# Allegro board RK_EVB1_RK3576_LP4XD200P132SD6_V12_20240530YWQ.brd (continued)
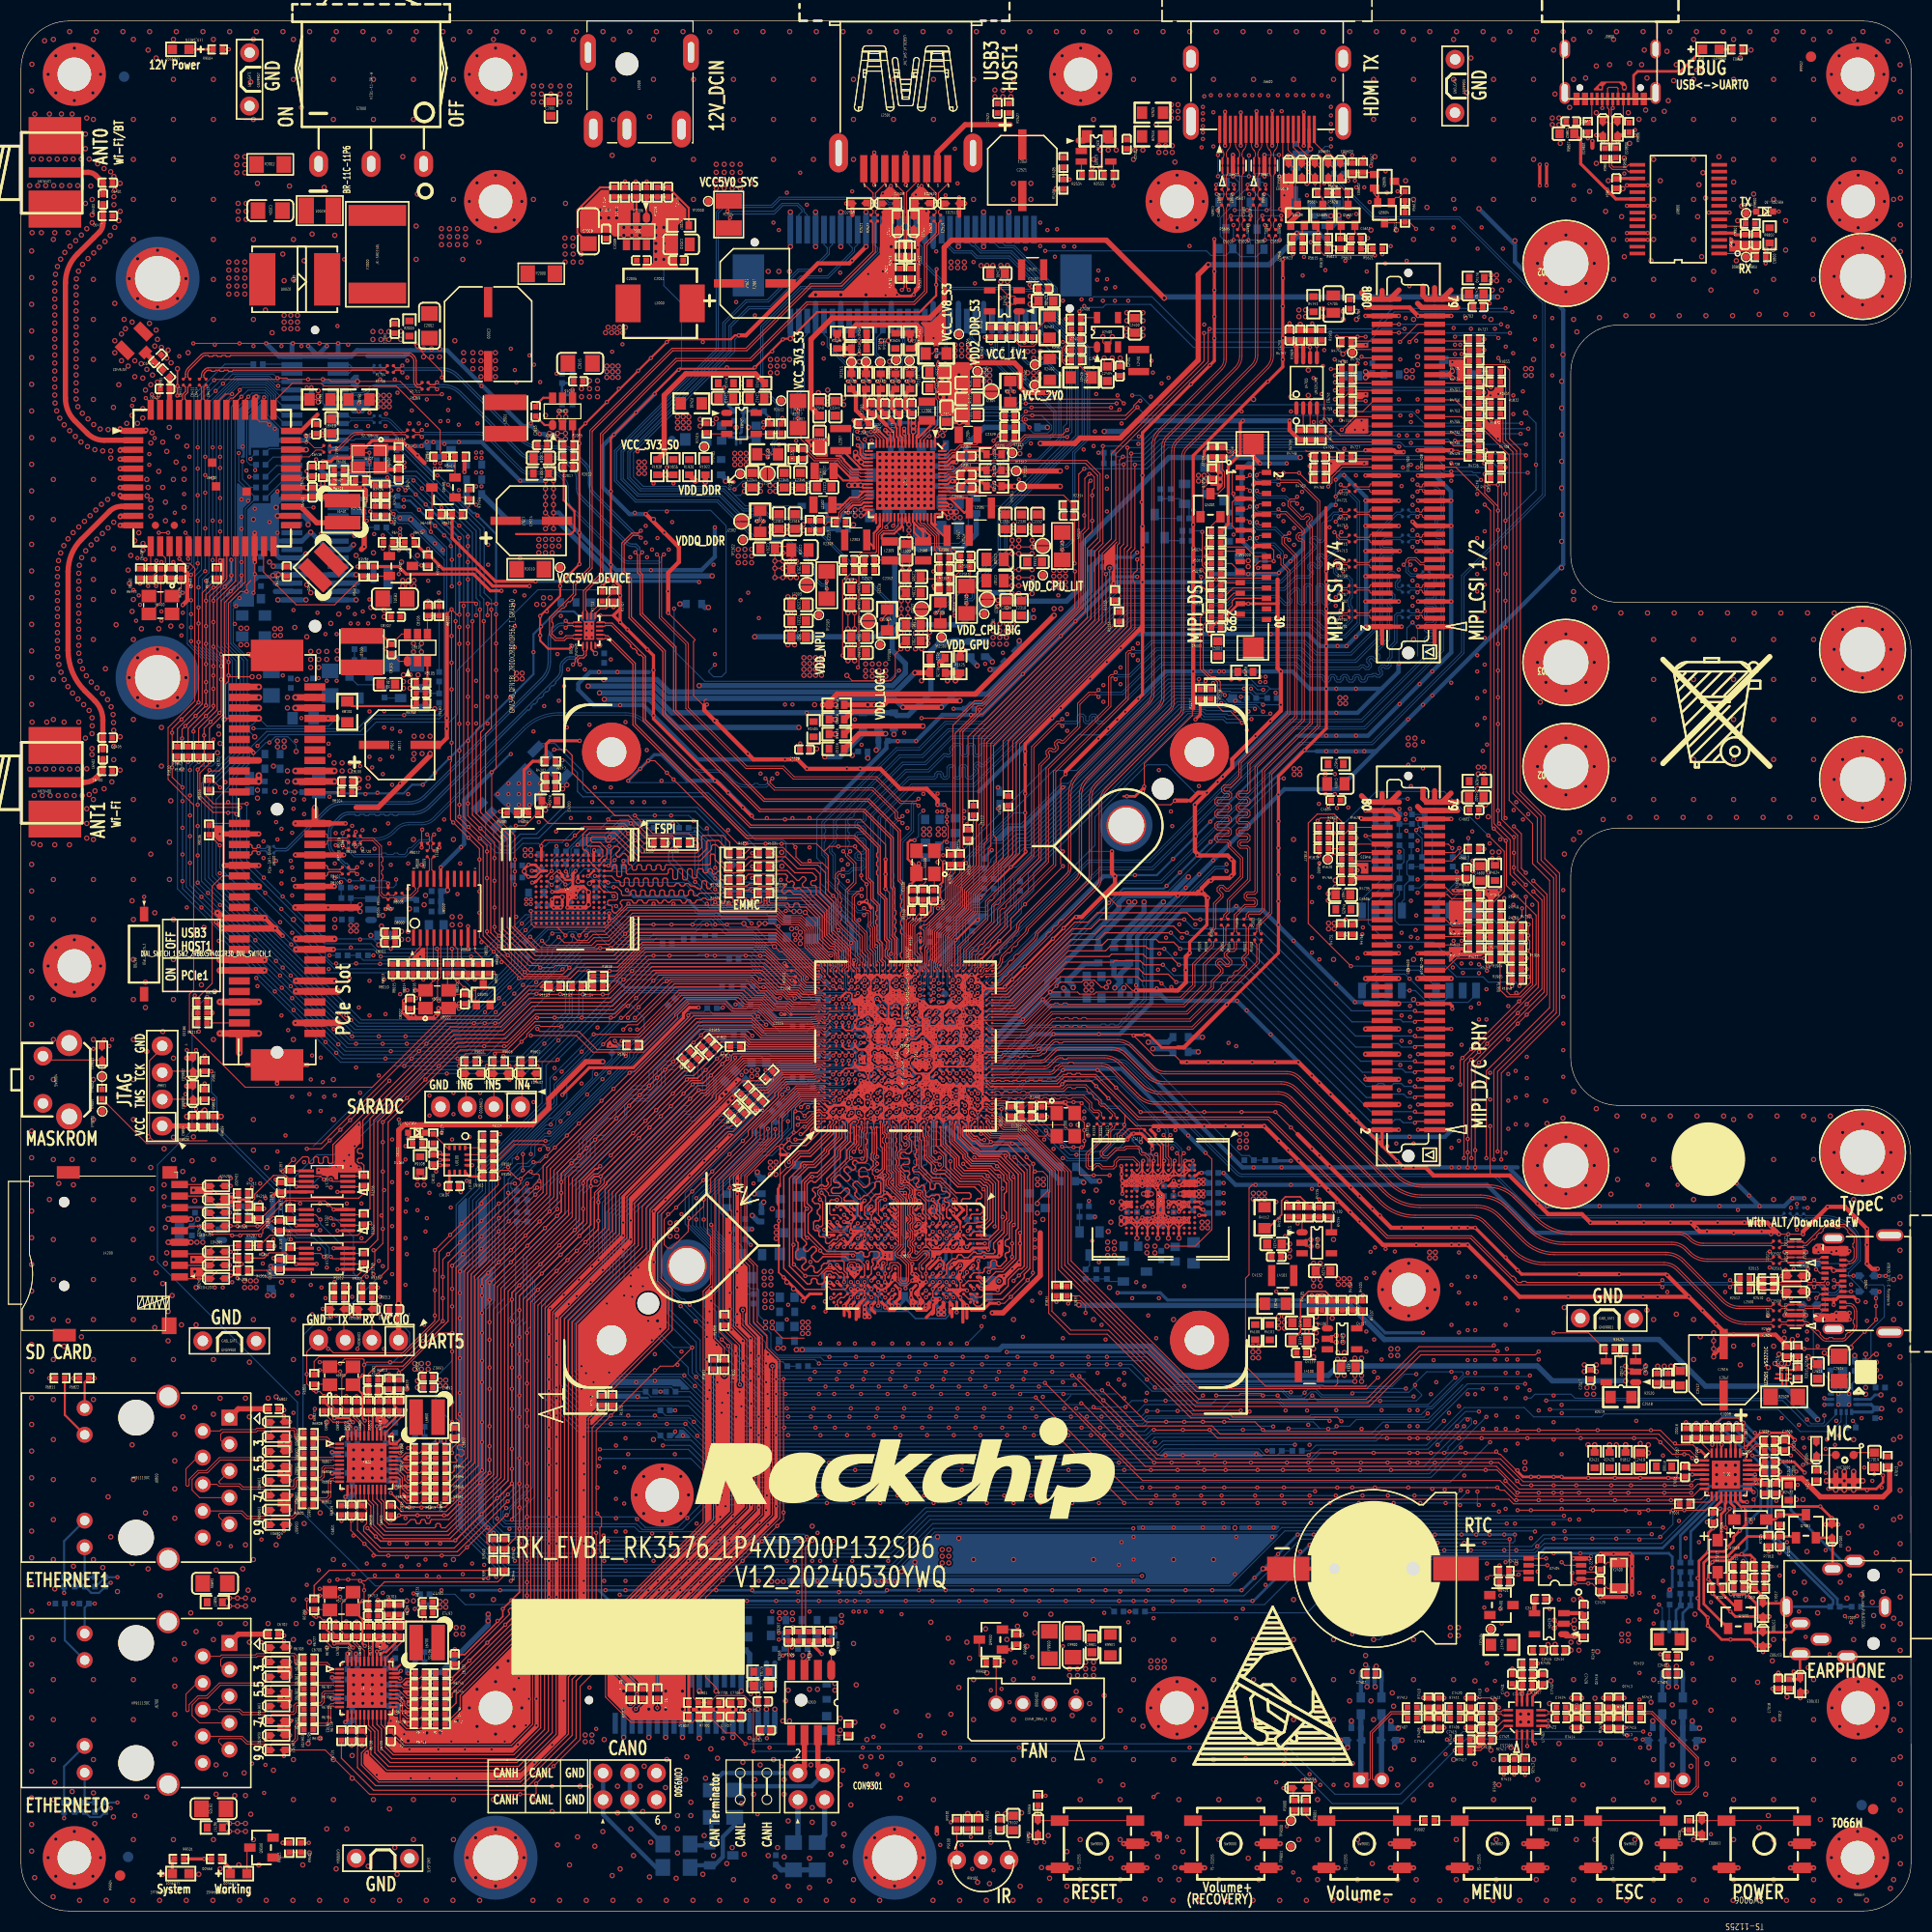
[diagram p0: board, top side]
## Routing (per net, layer and track width the routed paths; a pad name or vN(x,y) marks a point on that pad's centre or on a via; arc(x,y) is an arc through that point) (continued)
  TOP w0.381: J2501.7 v1(84.26,167.47) ; v1(85.21,162.02) 85.18,162.05 ED2510.2 ; v1(81.26,167.47) J2501.4 ; v1(89.35,162.07) ED2511.2 ; ED2511.2 v1(89.35,163.18) ; ED2511.2 v1(89.92,162.63) ; v1(78.61,162.63) ED2509.2 v1(79.18,162.05) ; v1(83.42,162.05) 83.35,162.12 ED2508.2 83.35,162.92 83.48,163.06 v1(83.48,163.18)
  TOP w0.406: v1(112.94,106.5) 112.12,106.5 111.37,105.75 ; v1(112.94,106.5) v1(113.97,107.52) v1(114.47,108.02) 115.36,108.91 115.36,109.69 v1(117.57,111.9) v1(118.99,113.32) 119.99,114.32 v1(119.99,114.88) v1(119.99,118.05) 119.67,118.37 119.67,126.82 ; v1(112.94,106.5) v1(111.8,105.35) 111.8,100.93 112.21,100.53 114.92,100.53 v1(115.28,100.17) 115.5,99.94 115.5,98.8 v1(115.28,98.57) 115.07,98.37 113.58,98.37 v1(113.32,98.12) 113.15,98.12 112.44,97.4 v1(112.44,97.1) 112.13,97.1 111.93,96.89 ; v1(21.65,119.71) 21.76,119.71 21.88,119.58 U8100.1 ; v1(128.05,91.2) CON4600.44 v1(131.21,91.2) ; CON5000.16 117.54,130 v1(117.37,129.83) ; R7408.2 v1(133.55,17.46) ; v1(133.05,136.72) CON4700.37 136.31,136.72 ; 106.81,122.34 v1(106.81,126.56) v1(106.81,128.21) v1(106.81,131.87) ; 106.81,122.34 106.57,122.11 ; 106.81,122.34 106.81,121.87 106.57,122.11 ; v1(159.04,65.55) v1(159.58,65.02) 159.88,64.71 v1(160.57,64.71) v1(165.78,64.71) 167.17,64.71 ; v1(159.04,65.55) v1(161.58,65.55) v1(164.12,65.55) 166.33,65.55 v1(166.65,65.24) 167.17,64.71 ; v1(159.04,65.55) v1(157.09,65.55) v1(154.55,65.55) v1(152.01,65.55) v1(149.47,65.55) 148.66,66.37 145.46,66.37 144.44,67.38 v1(144.43,67.38) 144.43,67.39 141.77,70.05 134.53,70.05 133.77,70.81 v1(132.63,70.81) 131.69,70.81 ; v1(137.57,17.46) C7415.2 v1(138.6,17.46) ; 99.48,108.53 v1(102.61,111.66) v1(103.55,112.59) v1(104.41,113.45) v1(105.17,114.21) v1(106.4,115.45) ; v2(80.48,158.51) v1(79.15,157.18) 78.88,156.92 75.9,156.92 69.04,150.06 v1(68.37,150.06) ; v1(148.39,60.65) v1(152.2,60.65) ; 40.55,123.52 v1(40.55,113.61) v1(40.55,112.6) 40.55,111.72 39.89,111.06 C8111.2 ; ED7002.2 v1(165.9,24.67) ; ED7002.2 v1(166.51,25.28) ; ED7002.2 v1(165.29,25.28) ; 111.93,96.89 112.62,96.89 v1(113.03,96.49) 112.94,96.4 112.94,95.7 ; 111.93,96.89 103.25,96.89 ; v2(123.1,32.6) J2400.2 v2(118.29,32.6) ; v1(148.67,17.46) 148.67,17.46 C7425.2 v1(147.65,17.46) ; v1(30.9,103.58) 29.38,103.58 ; v1(32.93,15.05) 32.93,13.91 v1(33.89,12.96) 34.2,12.64 v1(37.12,12.64) v1(38.9,12.64) v1(41.49,12.64) v1(45.3,12.64) 47.41,12.64 v1(48.89,14.12) v1(50.59,15.82) 51.69,16.92 v1(51.69,20.01) 51.69,22.46 v1(52.87,23.64) 53.6,24.36 53.6,25.69 v1(53.63,25.73) 53.6,25.76 v1(53.6,28.65) v1(53.6,30.3) v1(53.6,31.44) v1(53.6,35) v1(53.6,37.54) v1(53.6,40.08) v1(53.6,42.62) v1(53.6,45.16) 53.6,48.86 55.61,50.87 v1(56.02,51.28) ; v1(131.21,131.92) CON4700.26 v1(128.05,131.92) ; CON5000.4 117.54,136 v1(117.37,135.83) ; C2370.2 v2(83.55,144.1) ; 143.92,22.54 v1(143.92,22.04) C7414.2 143.92,21.08 v1(143.64,20.81) ; CON5000.13 117.22,131.5 v1(117.37,131.36) ; CON5000.10 117.54,133 v1(117.37,132.83) ; v1(142.21,13.01) C7418.2 ; C7420.1 v1(135.55,20.29) ; v1(115.42,167.25) ED5600.8 ED5600.3 v1(115.42,165.21) ; 107.86,74.75 v1(112.69,74.75) v1(114.72,74.75) v1(116.37,74.75) v1(118.4,74.75) v1(119.8,73.35) v1(120.69,72.46) v1(121.71,71.45) v1(124.5,68.65) v1(126.6,66.56) v1(127.49,65.67) 129.71,63.44 v1(132.88,63.44) v1(136.24,63.44) v1(136.95,63.44) v1(137.78,63.44) 142.73,58.49 v1(147.35,58.49) v1(151.16,58.49) v1(154.47,58.49) v1(155.87,58.49) v1(158.84,58.49) ; C2365.2 v2(81.01,144.18) ; C7018.2 v1(167.37,22.68) ; 85.28,99.28 85.51,99.51 v1(85.51,99.77) ; 85.28,99.28 85.28,99.36 v1(84.88,99.77) ; 85.28,99.28 Y1100.4 ; 96.14,111.68 v1(99.03,114.57) v1(101.82,117.36) v1(103.41,118.95) v1(104.75,120.28) 106.57,122.11 ; 133.05,127.12 CON4700.13 v1(136.21,127.12) ; 32.81,135.3 v1(32.54,135.57) v2(28.36,135.57) ; v1(131.21,124.72) CON4700.8 v1(128.05,124.72) ; v1(136.21,131.92) CON4700.25 132.93,131.92 v1(132.53,132.32) ; 167.17,64.71 v1(167.43,64.46) ; v1(59.5,133.04) v1(61.27,131.28) 62.65,129.89 62.65,128.47 61.64,127.45 v1(61.64,125.67) v1(61.64,123.64) ; CON4600.2 v1(131.21,74.4) ; 131.23,104 CON4600.76 127.69,104 v1(127.63,104.06) ; C2353.2 v1(91,136.76) ; 149.65,167.93 v1(149.65,168.56) ; CON5000.1 117.22,137.5 v1(117.37,137.36) ; v1(158.84,58.49) v1(160.15,57.18) v1(161.42,55.91) 162.45,54.88 v1(163.11,54.88) v1(166.03,54.88) 167.1,54.88 168.06,53.92 ; v1(158.84,58.49) v1(156.79,60.55) ; v1(128.05,129.52) CON4700.20 v1(131.31,129.52) ; v1(170.02,56.75) ED2505.3 ED2505.8 v1(167.97,56.75) ; v1(15.41,124.38) 15.83,124.81 15.83,127.41 15.41,127.83 C6409.2 ; 110.17,82.24 110.75,82.24 v1(114.83,86.32) ; v1(169.71,64.46) 169.71,64.71 v1(172.06,67.06) v1(173.71,67.06) v1(175.81,64.97) v1(175.81,63.44) v1(175.81,61.64) 176.29,61.16 v1(176.82,61.16) ; v1(132.9,129.52) CON4700.19 v1(136.21,129.52) ; C7417.2 143.95,22.54 v1(144.43,22.54) C7432.2 ; v1(152.82,29.91) 150.42,29.91 v1(150.41,29.92) C2420.1 ; v1(128.05,139.12) CON4700.44 130.74,139.12 130.93,138.93 131.65,138.93 v1(131.67,138.95) ; C2422.1 v1(150.41,33.98) 150.44,34.02 v1(151.68,34.02) v1(153.21,34.02) 153.43,33.8 v1(153.43,32.84) v1(153.43,31.69) v1(153.43,30.15) ; 103.25,96.89 104.2,97.84 v1(104.2,98.55) 103.9,98.85 v1(103.9,100.91) ; 103.25,96.89 101.03,94.68 v1(100.5,94.68) ; C7416.2 v1(135.55,17.46) ; U8100.2 v1(21.5,80.58) ; U8100.2 v1(24.39,78.81) ; U8100.2 v1(27.28,80.58) ; v1(39.76,85.99) 39.76,85.49 v1(39.49,85.22) 39.31,85.03 37.63,85.03 ; v2(104.79,66.05) 104.77,66.03 v2(104.77,65.42) ; v1(137.57,20.29) C7419.1 v1(138.6,20.29) ; CON4600.1 v1(136.31,74.4) ; 38.43,137.9 37.76,138.57 v1(37.76,138.63) 37.7,138.63 v1(36.81,139.52) ; ED7001.2 v1(171.86,36.81) ; ED7001.2 v1(173.07,36.81) ; ED7001.2 v1(172.46,37.42) ; v1(136.21,151.92) CON4700.75 v1(133.05,151.92) 132.25,152.72 CON4700.78 v1(128.05,152.72) ; 79.18,161.51 v1(79.18,162.05) ; v1(142.02,23.07) C7431.2 ; C8002.2 36.64,86.82 v1(36.5,86.68) 36.49,86.67 v1(36.49,85.67) 36.49,85.52 36.97,85.03 37.63,85.03 ; v1(22.14,110.31) 21.87,110.58 U8100.B7 ; C7426.2 v1(150.7,17.46) ; 131.21,127.12 CON4700.14 v1(128.05,127.12) ; v1(133.05,134.32) CON4700.31 v1(136.21,134.32) ; v1(133.01,104) CON4600.75 v1(136.21,104) ; 110.53,80.84 v1(111.04,80.84) v1(113.07,80.84) v1(114.47,80.84) v1(117.26,80.84) v1(119.42,80.84) v1(121.66,80.84) v1(122.95,79.55) v1(123.65,78.85) v1(124.73,77.77) v1(126.51,75.99) v1(127.21,75.29) ; v1(111.66,129.79) 111.64,129.77 v1(111.64,128.21) v1(111.64,126.56) v1(111.64,121.62) v1(111.64,118.05) 111.64,114.53 ; C2372.2 v2(84.82,144.1) ; ED9800.2 v1(152.62,169.12) ; v1(128.05,151.92) CON4700.76 v1(131.21,151.92) ; v1(149.32,33.58) U2405.4 v1(147.85,33.58) ; v1(118.42,167.25) ED5601.8 ED5601.3 v1(118.42,165.21) ; R1103.2 v1(49.83,88.08) ; v1(133.01,91.2) CON4600.43 v1(136.21,91.2) ; v1(128.05,104.8) CON4600.78 130.64,104.8 131.23,104.21 ; v1(128.05,136.72) CON4700.38 v1(131.21,136.72) ; 136.31,139.12 v1(136.21,139.12) CON4700.43 v1(133.01,139.12) ; v1(46.52,79.19) 46.29,79.42 ED9601.2 ; CON4700.1 134.63,120.74 ; CON4700.1 v1(133.05,122.32) ; CON4700.1 v1(136.21,122.32) ; v1(148.5,29.79) 148.82,29.47 C2416.2 ; 37.63,85.03 v1(37.38,85.29) ; ED7000.2 v1(166.51,28.04) ; ED7000.2 v1(165.29,28.04) ; ED7000.2 v1(165.9,27.43) ; v1(19.18,93.58) 18.58,94.18 v1(18.58,94.18) ; v1(106.2,87.67) 110.16,87.67 110.94,88.44 v1(110.94,89.61) 110.94,90.88 v1(111.3,91.25) ; C2417.2 v1(145.71,29.7) ; C2356.2 v1(91,135.57) ; R9503.2 v1(24.92,6.49) ; v1(23.21,94.58) v1(24.21,93.58) v1(24.9,92.88) ; v2(54.05,97.02) 54.05,97.02 v2(54.05,95.84) 53.79,95.58 v1(53.25,95.58) v1(52.75,95.58) v1(52.05,95.58) ; v1(128.05,134.32) CON4700.32 v1(131.21,134.32) ; v1(79.31,141.95) 79.61,141.65 C2363.2 ; C7430.1 v1(150.7,20.29) ; ED9801.2 v1(150.03,169.12) ; 128.05,122.32 CON4700.2 ; CON4700.2 v1(131.49,122.32) ; CON4700.2 129.63,120.74 ; CON4600.19 v1(136.21,81.6) ; CON4600.7 v1(136.21,76.8) ; v1(170.02,62.75) ED2507.3 ED2507.8 v1(167.97,62.75) ; v1(170.07,20.87) ED7003.2 v1(169.46,20.26) ; R7410.1 v1(133.55,20.29) ; v1(117.37,134.36) 117.22,134.5 CON5000.7 ; R7416.2 v1(152.69,17.46) ; 87.22,7.93 v1(87.22,7.37) ; v1(167.93,58.36) 168.3,58.73 ED2504.2 ; 111.07,105.75 109.92,105.75 v1(109.9,105.73) ; v1(168.06,61.03) 168.06,61.03 168.3,60.79 ED2506.2 ; v1(133.05,124.72) CON4700.7 v1(136.21,124.72) ; CON5000.31 117.37,138.5 v1(118,137.87) ; C4710.2 v1(120.82,151.2) ; v1(22.25,131.26) U6400.23 22.25,128.74 22.27,128.72 v1(22.27,128.47) ; C2360.2 v1(91,138.56) ; v1(87.29,105.35) 87.29,105.84 86.25,106.88 83.73,106.88 81.83,108.78 v1(79.92,108.78) v1(78.65,108.78) v1(74.85,108.78) 73.95,109.68 v1(73.47,109.68) 69.76,109.68 v1(69.22,110.22) 66.21,113.23 66.21,113.33 66.08,113.33 v1(66.05,113.36) 66.08,113.36 65.07,114.37 65.07,114.82 ; v1(137.78,65.07) v1(136.95,65.07) v1(136.24,65.07) v1(133.52,65.07) v1(131.49,65.07) 130.5,65.07 v1(127.48,68.08) v1(126.66,68.91) v1(124.63,70.94) 121.58,73.99 ; C2367.2 v2(82.28,144.1) ; CON4600.13 v1(136.21,79.2) ; 89.35,161.44 v1(89.35,162.07) ; ED9600.2 v1(44.2,79.76) ; R7419.1 v1(152.69,20.29) ; C2421.2 v1(140.81,30.68) ; v1(128.05,79.2) 128.35,79.2 ; v1(148.67,20.28) 148.66,20.29 C7429.1 v1(147.65,20.29) ; C7427.2 v1(138.68,15.86)
  TOP w0.508: v2(173.65,40.08) v2(173.65,40.97) ; v2(173.65,40.97) MIC7000.2 ; v2(173.65,40.97) 173.65,41.85 v2(173.65,41.85) ; v2(173.65,40.97) MIC7000.3 ; v1(107.23,6.41) SW9005.5 v1(105.02,6.41) ; v1(128.05,88.8) CON4600.38 v1(131.21,88.8) ; v1(155.82,4.11) SW9003.1 v1(158.03,4.11) ; v2(172.84,40.08) MIC7000.3 ; MIC7000.3 v2(172.84,41.85) ; MIC7000.3 v2(171.95,40.97) ; MIC7000.2 v2(175.42,40.97) ; MIC7000.2 v2(174.54,41.85) ; MIC7000.2 v2(174.54,40.08) ; 128.35,79.2 CON4600.14 v1(131.21,79.2) ; v1(143.12,4.11) SW9002.1 v1(145.33,4.11) ; v2(28.36,135.57) v2(27.19,135.57) U6400.30 ; U6400.10 10.68,132.84 9.5,132.84 v1(9.44,132.79) ; v1(22.4,144.22) 22.25,144.07 U6400.39 ; U6400.5 v1(9.44,137.37) ; v2(15.79,75.67) C9805.2 ; v1(168.52,4.11) SW9006.1 v1(170.73,4.11) ; v1(163.53,4.11) SW9006.4 161.32,4.11 ; U6400.7 v1(9.44,135.57) ; v1(131.21,84) CON4600.26 v1(128.05,84) ; v2(38.96,110.23) 38.96,110.06 34,105.1 31.92,105.1 ; v1(138.13,4.11) SW9002.4 135.92,4.11 ; v1(132.63,4.11) SW9001.1 v1(130.42,4.11) ; v1(130.42,6.41) SW9001.5 v1(132.63,6.41) ; 97.07,64.59 97.07,60.52 93.51,56.97 v1(92.5,56.97) ; v1(32.81,134.31) 32.81,135.3 ; v1(131.21,86.4) CON4600.32 128.05,86.4 ; v1(108.41,6.78) 108.41,7.35 v1(107.83,7.35) ; v2(16.2,65.89) J4200.6 v2(14.02,65.89) ; v1(170.73,6.41) SW9006.5 v1(168.52,6.41) ; v1(26.13,97.58) U8100.A18 v1(29.85,97.58) ; v1(11.89,141.04) 11.82,140.97 U6400.1 9.64,140.97 v1(9.44,141.17) ; v1(160.09,6.78) ED9003.2 v1(159.52,7.35) ; U6400.4 v1(9.44,138.27) ; v1(9.44,134.82) 9.59,134.67 U6400.8 ; v1(32.68,131.27) v1(32.68,129.93) 32.43,129.67 ; v1(143.12,6.41) SW9002.5 v1(145.33,6.41) ; v1(119.93,6.41) SW9000.5 v1(117.72,6.41) ; v1(107.23,4.11) SW9005.1 v1(105.02,4.11) ; 148.62,4.11 SW9003.4 v1(150.83,4.11) ; v1(136.21,88.8) CON4600.37 v1(133.01,88.8) ; v1(22.65,102.58) U8100.B13 v1(18.93,102.58) ; U6400.27 v2(24.42,132.87) ; v1(100.03,4.11) SW9005.4 97.82,4.11 ; v1(29.49,56.71) ED9302.2 ; v1(26.13,100.58) U8100.A15 30.67,100.58 ; 123.22,4.11 SW9001.4 v1(125.43,4.11) ; v1(19.34,99.58) U8100.B16 v1(22.65,99.58) ; v1(158.03,6.41) SW9003.5 v1(155.82,6.41) ; v1(15.79,78.57) ED9803.2 ; v1(112.73,4.11) SW9000.4 110.52,4.11 ; v1(32.16,56.71) ED9303.2 ; 128.05,76.8 CON4600.8 v1(131.21,76.8) ; v1(131.21,81.6) CON4600.20 v1(128.05,81.6) ; v1(9.44,139.11) 9.49,139.17 U6400.3 ; v1(117.72,4.11) SW9000.1 v1(119.93,4.11) ; v2(35.06,56.71) C9309.2 ; U6400.11 v1(9.44,131.97) ; v1(15.79,81.23) ED9802.2 ; U6400.6 v1(9.44,136.47) ; U8100.A24 v1(29.76,91.58)
  TOP w0.635: v1(24.21,93.58) U8100.B22 v1(19.18,93.58) ; U8100.B32 v2(20.79,81.72) ; U8100.B32 v1(18.93,83.58) ; U8100.B32 v2(22.65,83.58) ; v1(30.21,87.58) U8100.A28 v1(26.19,87.58) ; C8100.2 31.86,107.58 32.04,107.77 v2(32.17,107.77) ; v1(26.13,95.58) U8100.A20 v1(29.25,95.58) 32.05,95.58 ; U8100.A4 v1(29.24,113.58) v1(30.06,113.58) ; v1(18.93,90.58) U8100.B25 v1(23.19,90.58) ; U8100.A24 v1(26.21,91.58) ; 27.99,104.97 U8100.A12 ; U8100.A12 29.38,103.58 ; U8100.A12 v1(26.13,103.58) ; v1(26.2,92.58) U8100.A23 v1(29.85,92.58) ; v1(18.93,86.58) U8100.B29 v1(22.65,86.58) ; v1(29.85,88.58) U8100.A27 v1(26.19,88.58) ; 18.93,97.58 U8100.B18 v1(22.65,97.58) ; v1(18.93,89.58) U8100.B26 v1(23.18,89.58) ; U8100.B4 v2(22.65,113.58) ; v1(26.13,84.58) U8100.A31 v1(30.19,84.58) ; v1(23.21,94.58) U8100.B21 v1(19.19,94.58) v1(18.7,95.06)
  L2-GND w0.102: v1(110.28,65.93) 111.88,65.93 v1(112.21,66.26) ; 110.9,144.47 110.9,145.09 114.34,148.53 ; 123.54,170.29 123.54,171.69 122.47,172.76 122.47,175.88 123.24,176.66 122.15,176.66 121.63,177.18
  L3-POWER w0.102: 65.5,94.12 v1(65.32,93.95) 65.5,93.77 ; 65.5,94.12 65.5,95.75 ; 65.5,94.12 65.5,93.77 ; 65.9,113.5 65.9,115.13 65.78,115.25 65.78,118.17 66.08,118.47 v1(66.08,118.69) 66.08,119.7 v1(66.08,119.7) 66.08,121.97 v1(66.08,121.97) 66.08,122.81 68.11,124.84 v1(68.53,124.84) 68.68,124.99 69.48,124.99 71.49,126.99 v2(71.8,126.99) v2(72.56,126.99) v2(73.29,126.99) v2(73.85,126.99) 73.86,126.99 78.43,126.99 ; 65.9,113.5 v1(66.05,113.36) 65.9,113.21 ; 65.9,113.5 65.9,113.21 ; 65.9,94.16 65.9,95.87 v1(66.11,96.08) v1(66.11,97.3) v1(66.11,98.34) v1(66.11,99.36) 65.9,99.57 65.9,107.31 ; 65.9,94.16 65.9,93.73 ; 65.9,94.16 v1(66.11,93.95) 65.9,93.73 ; 65.5,103.12 v1(65.32,103.12) ; 65.5,103.12 65.5,102.94 ; 65.5,103.12 65.5,103.3 ; v1(65.32,103.12) 65.5,102.94 ; v1(65.32,103.12) 65.5,103.3 ; 87.22,127.67 86.94,127.4 86.7,127.4 ; 87.22,127.67 86.97,127.67 v1(86.88,127.58) 86.7,127.4 ; 87.22,127.67 88.24,128.69 88.53,128.69 88.74,128.48 88.74,128.01 v1(86.91,126.18) 86.91,126.89 86.81,126.99 79.71,126.99 ; 65.5,91.17 65.5,93.77 ; 65.5,91.17 65.5,90.81 ; 65.5,91.17 v1(65.32,90.99) 65.5,90.81 ; 65.5,102.94 65.5,96.11 ; v2(72.56,127.88) 72.84,127.6 74.21,127.6 74.41,127.4 86.7,127.4 ; 65.5,96.11 v1(65.32,95.93) 65.5,95.75 ; 65.5,96.11 65.5,95.75 ; 65.9,107.31 65.9,107.46 v1(66.08,107.64) 65.9,107.82 ; 65.9,107.31 65.9,107.82 ; 65.9,113.21 65.9,107.82 ; 65.9,91.17 65.9,90.81 ; 65.9,91.17 v1(66.08,90.99) 65.9,90.81 ; 65.9,91.17 65.9,93.73 ; 65.9,90.81 65.9,82.35 66.56,81.69 v1(66.81,81.69) 66.81,81.66 v1(67.29,81.17) ; v1(72.72,90.26) 72.99,90.53 72.99,95.09 v1(72.84,95.25) 72.84,95.27 73.2,95.64 73.2,103.52 v1(72.76,103.96) 72.91,104.12 72.91,109.52 v1(72.76,109.67) 72.91,109.82 72.91,114.75 v1(72.76,114.9) 72.91,115.06 72.91,118.86 73.6,119.55 74.28,120.23 77.67,120.23 77.94,119.96 78.36,119.96 78.76,119.57 v2(78.76,119.07) 78.25,119.07 77.5,119.82 74.45,119.82 73.32,118.69 73.32,115.06 v1(73.47,114.9) 73.32,114.75 73.32,109.83 v1(73.47,109.68) 73.32,109.52 73.32,104.24 v1(73.47,104.08) 73.61,103.95 73.61,101.46 v1(73.76,101.31) 73.61,101.16 73.61,95.21 v2(73.62,95.2) ; 79.71,126.99 78.43,126.99 ; 79.71,126.99 v2(79.39,126.66) v2(78.76,126.66) 78.43,126.99 ; 65.5,90.81 65.5,82.18 66.29,81.39 v1(66.29,81.18) v1(66.8,80.67) 68.1,79.36 v1(68.1,78.98) ; v2(71.8,127.88) 71.8,127.88 69.47,125.55 v1(69.26,125.55) 69.11,125.4 68.09,125.4 65.53,122.83 65.53,118.49 65.38,118.34 65.38,114.96 v1(65.33,114.9) 65.5,114.74 65.5,103.3
  L4-SIG w0.089: 75.99,68.91 76.24,69.16 76.59,68.81 ; v1(81.5,76.71) 82.15,76.06 82.15,75.45 82.84,74.75 82.84,74.62 ; 81.32,58.62 81.01,58.92 80.86,58.92 80.53,59.24 80.47,59.24 ; 80.43,63.33 80.82,63.72 81.13,63.72 81.32,63.91 81.32,64.18 81.13,64.37 80.95,64.37 80.48,64.84 80.43,64.84 ; v1(83.34,77.87) 83.06,77.59 83.06,76.95 v1(83.34,76.67) ; 88.47,65.78 88.47,65.02 v1(88.14,64.69) 88.6,64.24 ; v1(91.61,77.57) 91.61,74.65 91.58,74.62 ; v1(76.09,67.75) 75.99,67.86